# Altium PCB foxbms2-interface-ltc6820.PcbDoc (part 2 of 2)
Units mm, origin at the board's own origin, x right, y up, seen from the top; angles counter-clockwise.
Board outline 70 x 120 mm, 4 copper layers (Top Copper, GND, Supply, Bot Copper), stack 1.56 mm thick; 98 components, 88 nets, 306 pads, 146 vias.
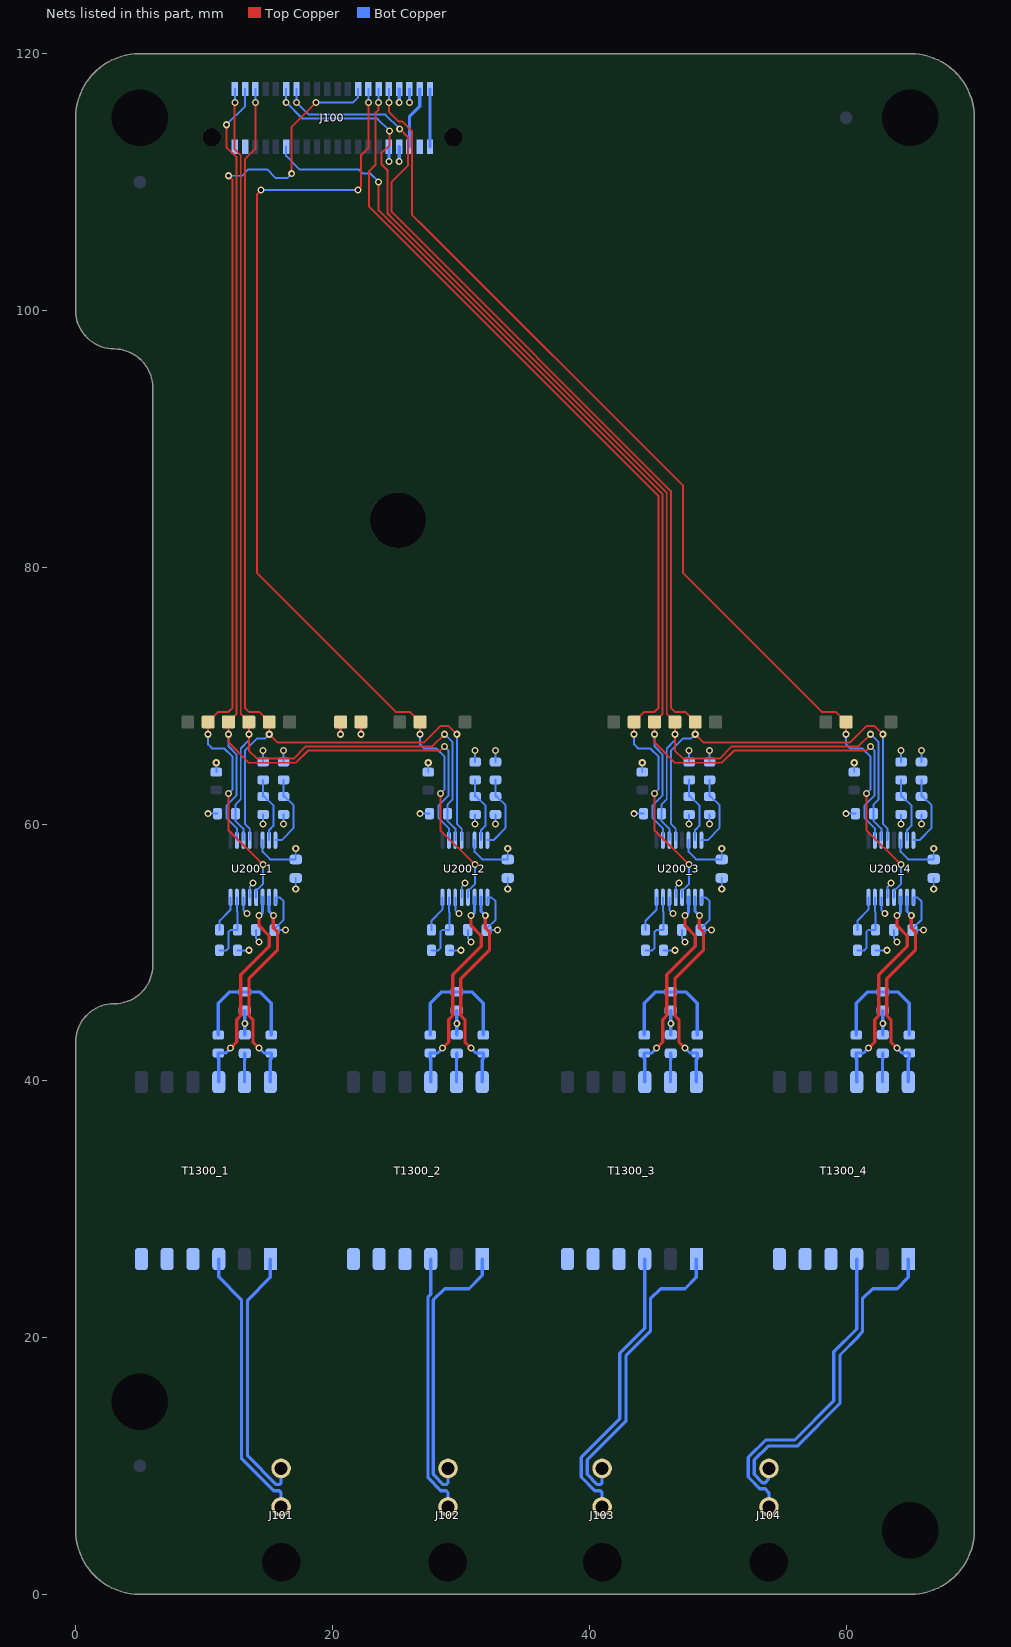
[diagram p4: the nets of this part, all layers, seen from the top]

## Via types
v1: diameter 0.55, hole 0.3, Top Copper to Bot Copper, 146 vias

## Nets (pads, with @x,y where several pads share a name; then routed paths per layer and width w, separated by ;. In a path a pad name is that pad's centre, name@x,y a point inside that pad or via, vN(x,y) a via of type N, cw(c..) or ccw(c..) an arc to the next point about the centre after c; other vN are vias at no path point) (continued)
GND: C200_1.1 C200_2.1 C200_3.1 C200_4.1 C201_1.1 C201_2.1 C201_3.1 C201_4.1 C300_1.2 C300_2.2 C300_3.2 C300_4.2 C301_1.1 C301_2.1 C301_3.1 C301_4.1 J100.32 J100.33 R203_1.1 R203_2.1 R203_3.1 R203_4.1 R206_1.1 R206_2.1 R206_3.1 R206_4.1 R207_1.1 R207_2.1 R207_3.1 R207_4.1 TP_GND.1 U200_1.13 U200_1.14 U200_2.13 U200_2.14 U200_3.13 U200_3.14 U200_4.13 U200_4.14 | length 39.4
  Top Copper w0.254: v1(22.225,66.992) TP_GND.1@22.225,67.945
  Bot Copper w0.152: R203_1.1@12.606,50.165 v1(13.494,50.165) ; U200_1.14@13.061,54.29 13.061,53.296 v1(13.335,53.023) ; U200_1.13@13.561,54.29 13.561,55.121 13.811,55.371 v1(13.811,55.404) ; C200_1.1@14.039,51.752 14.039,51.084 14.287,50.835 v1(14.287,50.8) ; R207_1.1@14.605,64.835 v1(14.605,65.722) ; R206_1.1@16.192,64.835 v1(16.192,65.722) ; v1(17.145,54.927) C201_1.1@17.145,55.79 ; R203_2.1@29.116,50.165 v1(30.004,50.165) ; U200_2.14@29.571,54.29 29.571,53.296 v1(29.845,53.023) ; U200_2.13@30.071,54.29 30.071,55.121 30.321,55.371 v1(30.321,55.404) ; C200_2.1@30.549,51.752 30.549,51.084 30.797,50.835 v1(30.797,50.8) ; R207_2.1@31.115,64.835 v1(31.115,65.722) ; R206_2.1@32.703,64.835 v1(32.703,65.722) ; v1(33.655,54.927) C201_2.1@33.655,55.79 ; R203_3.1@45.785,50.165 v1(46.672,50.165) ; U200_3.14@46.24,54.29 46.24,53.296 v1(46.514,53.023) ; U200_3.13@46.74,54.29 46.74,55.121 46.99,55.371 v1(46.99,55.404) ; C200_3.1@47.218,51.752 47.218,51.084 47.466,50.835 v1(47.466,50.8) ; R207_3.1@47.784,64.835 v1(47.784,65.722) ; R206_3.1@49.371,64.835 v1(49.371,65.722) ; v1(50.324,54.927) C201_3.1@50.324,55.79 ; R203_4.1@62.295,50.165 v1(63.182,50.165) ; U200_4.14@62.75,54.29 62.75,53.296 v1(63.024,53.023) ; U200_4.13@63.25,54.29 63.25,55.121 63.5,55.371 v1(63.5,55.404) ; C200_4.1@63.728,51.752 63.728,51.084 63.976,50.835 v1(63.976,50.8) ; R207_4.1@64.294,64.835 v1(64.294,65.722) ; R206_4.1@65.881,64.835 v1(65.881,65.722) ; v1(66.834,54.927) C201_4.1@66.834,55.79
  Bot Copper w0.254: C301_1.1@13.176,43.587 v1(13.176,44.45) C300_1.2@13.176,45.471 ; v1(24.4,111.601) J100.32@24.4,112.75 ; v1(25.2,116.205) J100.33@25.2,117.25 ; C301_2.1@29.686,43.587 v1(29.686,44.45) C300_2.2@29.686,45.471 ; C301_3.1@46.355,43.587 v1(46.355,44.45) C300_3.2@46.355,45.471 ; C301_4.1@62.865,43.587 v1(62.865,44.45) C300_4.2@62.865,45.471
IF_GPIO.1: J100.25 TP_MSTR1.1 U200_1.12 | length 76.4
  Top Copper w0.152: v1(10.319,66.992) TP_MSTR1.1@10.319,67.945 11.112,68.739 11.906,68.739 12.224,69.056 12.224,110.172 v1(11.906,110.49) ; v1(11.906,62.389) 11.906,59.531 v1(14.605,56.832) ; v1(16.828,110.649) 16.828,114.3 v1(18.732,116.205)
  Bot Copper w0.152: v1(10.319,66.992) 10.319,66.199 10.636,65.881 11.589,65.881 12.224,65.246 12.224,62.706 v1(11.906,62.389) ; v1(11.906,110.49) 12.963,110.49 13.454,110.981 14.908,110.981 15.557,110.331 16.51,110.331 v1(16.828,110.649) ; U200_1.12@14.061,54.29 14.061,54.815 14.605,55.359 v1(14.605,56.832) ; v1(18.732,116.205) 21.607,116.205 22,116.598 J100.25@22,117.25
IF_GPIO.3: J100.27 TP_MSTR2.1 U200_2.12 | length 79.7
  Top Copper w0.152: v1(14.446,109.379) 14.129,109.061 14.129,79.534 24.924,68.739 26.035,68.739 TP_MSTR2.1@26.829,67.945 v1(26.829,66.992) ; v1(21.988,109.379) 21.988,109.438 22.225,109.674 22.225,112.078 22.8,112.652 v1(22.8,116.205) ; v1(28.416,62.389) 28.416,59.531 v1(31.115,56.832)
  Bot Copper w0.152: v1(14.446,109.379) v1(21.988,109.379) ; v1(22.8,116.205) J100.27@22.8,117.25 ; v1(26.829,66.992) 26.829,66.199 27.146,65.881 28.099,65.881 28.734,65.246 28.734,62.706 v1(28.416,62.389) ; U200_2.12@30.571,54.29 30.571,54.815 31.115,55.359 v1(31.115,56.832)
IF_GPIO.5: J100.29 TP_MSTR3.1 U200_3.12 | length 76.7
  Top Copper w0.152: v1(23.6,116.205) 23.6,115.628 23.354,115.382 23.354,111.346 22.86,110.852 22.86,108.082 24.196,106.746 45.402,85.539 45.402,70.08 45.402,69.056 45.085,68.739 44.291,68.739 TP_MSTR3.1@43.497,67.945 v1(43.497,66.992) ; v1(45.085,62.389) 45.085,59.531 v1(47.784,56.832)
  Bot Copper w0.152: v1(23.6,116.205) J100.29@23.6,117.25 ; v1(43.497,66.992) 43.497,66.199 43.815,65.881 44.767,65.881 45.402,65.246 45.402,62.706 v1(45.085,62.389) ; U200_3.12@47.24,54.29 47.24,54.815 47.784,55.359 v1(47.784,56.832)
IF_GPIO.7: J100.31 TP_MSTR4.1 U200_4.12 | length 81.4
  Top Copper w0.152: v1(24.4,116.205) 24.4,115.468 25.17,114.698 25.468,114.698 26.194,113.973 26.194,107.442 27.21,106.426 47.307,86.328 47.307,79.534 58.102,68.739 59.214,68.739 TP_MSTR4.1@60.008,67.945 v1(60.008,66.992) ; v1(61.595,62.389) 61.595,59.531 v1(64.294,56.832)
  Bot Copper w0.152: v1(24.4,116.205) J100.31@24.4,117.25 ; v1(60.008,66.992) 60.008,66.199 60.325,65.881 61.277,65.881 61.912,65.246 61.912,62.706 v1(61.595,62.389) ; U200_4.12@63.75,54.29 63.75,54.815 64.294,55.359 v1(64.294,56.832)
isoSPI_1._N: J101.2 T1300_1.1 | length 20.8
  Bot Copper w0.254: T1300_1.1@15.16,26.12 15.16,24.685 13.392,22.917 13.392,10.804 15.641,8.555 15.851,8.555 16,8.703 J101.2@16,9.815
isoSPI_1._P: J101.1 T1300_1.3 | length 21.6
  Bot Copper w0.254: T1300_1.3@11.147,26.12 11.147,24.731 12.915,22.962 12.915,10.607 15.444,8.078 15.851,8.078 16,7.93 J101.1@16,6.818
isoSPI_2._N: J102.2 T1300_2.1 | length 22.1
  Bot Copper w0.254: J102.2@29,9.815 29,8.703 28.851,8.555 28.641,8.555 27.857,9.338 27.857,22.936 28.734,23.812 30.639,23.812 31.67,24.844 T1300_2.1@31.67,26.12
isoSPI_2._P: J102.1 T1300_2.3 | length 20.3
  Bot Copper w0.254: T1300_2.3@27.657,26.12 27.657,23.371 27.451,23.164 27.451,9.071 28.444,8.078 28.851,8.078 29,7.93 J102.1@29,6.818
isoSPI_3._N: J103.2 T1300_3.1 | length 24
  Bot Copper w0.254: J103.2@41,9.815 41,8.703 40.851,8.555 40.641,8.555 39.857,9.338 39.857,10.467 42.862,13.473 42.862,18.574 44.767,20.479 44.767,23.019 45.561,23.812 47.461,23.812 48.339,24.69 T1300_3.1@48.339,26.12
isoSPI_3._P: J103.1 T1300_3.3 | length 22.3
  Bot Copper w0.254: J103.1@41,6.818 41,7.93 40.851,8.078 40.444,8.078 39.381,9.141 39.381,10.664 42.386,13.67 42.386,18.771 44.326,20.71 T1300_3.3@44.326,26.12
isoSPI_4._N: J104.2 T1300_4.1 | length 26.5
  Bot Copper w0.254: J104.2@54,9.815 53.95,9.765 53.95,8.951 53.702,8.703 53.492,8.703 52.857,9.338 52.857,10.471 53.934,11.548 56.195,11.548 59.531,14.884 59.531,18.642 60.978,20.089 60.978,20.138 61.277,20.438 61.277,23.019 62.071,23.812 63.976,23.812 64.849,24.685 T1300_4.1@64.849,26.12
isoSPI_4._P: J104.1 T1300_4.3 | length 25
  Bot Copper w0.254: J104.1@54,6.818 54,7.93 53.702,8.227 53.295,8.227 52.381,9.141 52.381,10.668 53.737,12.024 55.998,12.024 59.055,15.081 59.055,18.889 60.836,20.669 T1300_4.3@60.836,26.12
isoSPI_INT_1_N: R302_1.1 T1300_1.12 U200_1.10 | length 16.7
  Top Copper w0.254: v1(14.287,42.545) 13.811,43.021 13.811,44.767 13.494,45.085 13.494,47.942 15.716,50.165 15.716,51.594 15.399,51.911 v1(15.399,52.864)
  Bot Copper w0.254: v1(14.287,42.545) 14.67,42.163 R302_1.1@15.24,42.162 15.24,41.711 15.16,41.631 T1300_1.12@15.16,39.9 ; U200_1.10@15.061,54.29 15.061,53.201 v1(15.399,52.864)
isoSPI_INT_1_P: R300_1.2 T1300_1.10 U200_1.11 | length 16.8
  Top Copper w0.254: v1(12.065,42.545) 12.541,43.021 12.541,44.767 12.859,45.085 12.859,48.26 15.081,50.482 15.081,51.276 14.287,52.07 v1(14.287,52.864)
  Bot Copper w0.254: T1300_1.10@11.147,39.9 11.147,41.677 11.112,41.711 R300_1.2@11.112,42.163 11.682,42.162 v1(12.065,42.545) ; v1(14.287,52.864) 14.561,53.138 U200_1.11@14.561,54.29
isoSPI_INT_2_N: R302_2.1 T1300_2.12 U200_2.10 | length 16.7
  Top Copper w0.254: v1(30.797,42.545) 30.321,43.021 30.321,44.767 30.004,45.085 30.004,47.942 32.226,50.165 32.226,51.594 31.909,51.911 v1(31.909,52.864)
  Bot Copper w0.254: v1(30.797,42.545) 31.18,42.163 R302_2.1@31.75,42.162 31.75,41.711 31.67,41.631 T1300_2.12@31.67,39.9 ; U200_2.10@31.571,54.29 31.571,53.201 v1(31.909,52.864)
isoSPI_INT_2_P: R300_2.2 T1300_2.10 U200_2.11 | length 16.8
  Top Copper w0.254: v1(28.575,42.545) 29.051,43.021 29.051,44.767 29.369,45.085 29.369,48.26 31.591,50.482 31.591,51.276 30.797,52.07 v1(30.797,52.864)
  Bot Copper w0.254: T1300_2.10@27.657,39.9 27.657,41.677 27.622,41.711 R300_2.2@27.622,42.163 28.192,42.162 v1(28.575,42.545) ; v1(30.797,52.864) 31.071,53.138 U200_2.11@31.071,54.29
isoSPI_INT_3_N: R302_3.1 T1300_3.12 U200_3.10 | length 16.7
  Top Copper w0.254: v1(47.466,42.545) 46.99,43.021 46.99,44.767 46.672,45.085 46.672,47.942 48.895,50.165 48.895,51.594 48.578,51.911 v1(48.578,52.864)
  Bot Copper w0.254: v1(47.466,42.545) 47.849,42.163 R302_3.1@48.419,42.162 48.419,41.711 48.339,41.631 T1300_3.12@48.339,39.9 ; U200_3.10@48.24,54.29 48.24,53.201 v1(48.578,52.864)
isoSPI_INT_3_P: R300_3.2 T1300_3.10 U200_3.11 | length 16.8
  Top Copper w0.254: v1(45.244,42.545) 45.72,43.021 45.72,44.767 46.038,45.085 46.038,48.26 48.26,50.482 48.26,51.276 47.466,52.07 v1(47.466,52.864)
  Bot Copper w0.254: T1300_3.10@44.326,39.9 44.326,41.677 44.291,41.711 R300_3.2@44.291,42.163 44.861,42.162 v1(45.244,42.545) ; v1(47.466,52.864) 47.74,53.138 U200_3.11@47.74,54.29
isoSPI_INT_4_N: R302_4.1 T1300_4.12 U200_4.10 | length 16.7
  Top Copper w0.254: v1(63.976,42.545) 63.5,43.021 63.5,44.767 63.182,45.085 63.182,47.942 65.405,50.165 65.405,51.594 65.087,51.911 v1(65.087,52.864)
  Bot Copper w0.254: v1(63.976,42.545) 64.359,42.163 R302_4.1@64.929,42.162 64.929,41.711 64.849,41.631 T1300_4.12@64.849,39.9 ; U200_4.10@64.75,54.29 64.75,53.201 v1(65.087,52.864)
isoSPI_INT_4_P: R300_4.2 T1300_4.10 U200_4.11 | length 16.8
  Top Copper w0.254: v1(61.754,42.545) 62.23,43.021 62.23,44.767 62.547,45.085 62.547,48.26 64.77,50.482 64.77,51.276 63.976,52.07 v1(63.976,52.864)
  Bot Copper w0.254: T1300_4.10@60.836,39.9 60.836,41.677 60.801,41.711 R300_4.2@60.801,42.163 61.371,42.162 v1(61.754,42.545) ; v1(63.976,52.864) 64.25,53.138 U200_4.11@64.25,54.29
MCU_SPI1.CLK: J100.5 TP_SPI1.CLK.1 U200_1.4 U200_2.4 | length 85.5
  Top Copper w0.152: v1(14,116.205) 14,112.584 13.176,111.76 13.176,69.056 13.494,68.739 14.287,68.739 TP_SPI1.CLK.1@15.081,67.945 v1(15.081,66.992) 15.716,66.358 27.146,66.358 28.416,67.627 29.051,67.627 v1(29.686,66.992)
  Bot Copper w0.152: U200_1.4@13.561,58.74 13.561,59.622 13.176,60.008 13.176,65.722 14.129,66.675 14.764,66.675 v1(15.081,66.992) ; v1(14,116.205) J100.5@14,117.25 ; v1(29.686,66.992) 29.686,60.008 30.071,59.622 U200_2.4@30.071,58.74
MCU_SPI1.SIMO0: J100.3 TP_SPI1.SIMO0.1 U200_1.2 U200_2.2 | length 87.4
  Top Copper w0.152: v1(11.747,114.459) 11.747,112.712 12.541,111.919 12.541,108.585 12.541,68.58 TP_SPI1.SIMO0.1@11.906,67.945 v1(11.906,66.992) 11.906,66.358 13.494,64.77 17.145,64.77 18.098,65.722 28.416,65.722 v1(28.734,66.04)
  Bot Copper w0.152: v1(11.747,114.459) 13.2,115.911 J100.3@13.2,117.25 ; v1(11.906,66.992) 11.906,66.04 12.541,65.405 12.541,62.23 11.747,61.436 11.747,60.484 12.561,59.67 U200_1.2@12.561,58.74 ; v1(28.734,66.04) 29.051,65.722 29.051,62.23 28.258,61.436 28.258,60.484 29.071,59.67 U200_2.2@29.071,58.74
MCU_SPI1.SIMO1: J100.4
MCU_SPI1.SOMI0: J100.1 R201_1.1 R201_2.1 TP_SPI1.SOMI0.1 U200_1.3 U200_2.3 | length 86.2
  Top Copper w0.152: v1(12.4,116.205) 12.383,116.188 12.383,112.554 12.859,112.078 12.859,108.585 12.859,68.58 TP_SPI1.SOMI0.1@13.494,67.945 v1(13.494,66.992) 13.494,65.722 14.129,65.087 16.986,65.087 17.939,66.04 27.781,66.04 v1(28.734,66.992)
  Bot Copper w0.152: v1(12.4,116.205) J100.1@12.4,117.25 ; U200_1.3@13.061,58.74 13.061,59.646 12.448,60.26 R201_1.1@12.448,60.801 12.448,61.501 12.859,61.912 12.859,65.881 13.494,66.516 v1(13.494,66.992) ; v1(28.734,66.992) 29.369,66.358 29.369,61.912 28.958,61.501 R201_2.1@28.958,60.801 28.958,60.26 29.571,59.646 U200_2.3@29.571,58.74
MCU_SPI1.SOMI1: J100.2
MCU_SPI4.CLK: J100.13 TP_SPI4.CLK.1 U200_3.4 U200_4.4 | length 101.8
  Top Copper w0.152: v1(25.241,114.141) 25.876,113.506 25.876,111.284 24.606,110.014 24.606,107.682 25.429,106.859 46.355,85.934 46.355,69.056 46.672,68.739 47.466,68.739 TP_SPI4.CLK.1@48.26,67.945 v1(48.26,66.992) 48.895,66.358 60.325,66.358 61.595,67.627 62.23,67.627 v1(62.865,66.992)
  Bot Copper w0.152: J100.13@17.2,117.25 v1(17.2,116.205) 18.152,115.252 24.13,115.252 v1(25.241,114.141) ; U200_3.4@46.74,58.74 46.74,59.622 46.355,60.008 46.355,65.722 47.307,66.675 47.942,66.675 v1(48.26,66.992) ; v1(62.865,66.992) 62.865,60.008 63.25,59.622 U200_4.4@63.25,58.74
MCU_SPI4.SIMO: J100.12 TP_SPI4.SIMO.1 U200_3.2 U200_4.2 | length 97.1
  Top Copper w0.152: v1(23.6,110.014) 23.6,107.791 24.42,106.97 45.72,85.671 45.72,68.58 TP_SPI4.SIMO.1@45.085,67.945 v1(45.085,66.992) 45.085,66.358 46.672,64.77 50.324,64.77 51.276,65.722 61.595,65.722 v1(61.912,66.04)
  Bot Copper w0.152: J100.12@16.4,112.75 16.4,112.029 17.462,110.966 22.066,110.966 22.384,110.649 22.965,110.649 v1(23.6,110.014) ; v1(45.085,66.992) 45.085,66.04 45.72,65.405 45.72,62.23 44.926,61.436 44.926,60.484 45.74,59.67 U200_3.2@45.74,58.74 ; v1(61.912,66.04) 62.23,65.722 62.23,62.23 61.436,61.436 61.436,60.484 62.25,59.67 U200_4.2@62.25,58.74
MCU_SPI4.SOMI: J100.11 R201_3.1 R201_4.1 TP_SPI4.SOMI.1 U200_3.3 U200_4.3 | length 102.2
  Top Copper w0.152: v1(24.447,113.983) 24.447,112.871 23.812,112.236 23.812,111.405 24.289,110.928 24.289,107.551 24.645,107.195 46.037,85.802 46.038,68.58 TP_SPI4.SOMI.1@46.672,67.945 v1(46.672,66.992) 46.672,65.722 47.307,65.087 50.165,65.087 51.117,66.04 60.96,66.04 v1(61.912,66.992)
  Bot Copper w0.152: J100.11@16.4,117.25 v1(16.4,116.205) 17.67,114.935 23.495,114.935 v1(24.447,113.983) ; U200_3.3@46.24,58.74 46.24,59.646 45.626,60.26 R201_3.1@45.626,60.801 45.626,61.501 46.038,61.912 46.038,65.881 46.672,66.516 v1(46.672,66.992) ; v1(61.912,66.992) 62.547,66.358 62.547,61.912 62.136,61.501 R201_4.1@62.136,60.801 62.136,60.26 62.75,59.646 U200_4.3@62.75,58.74
NetC300_1_1: C300_1.1 R300_1.1 R302_1.2 | length 9.8
  Bot Copper w0.254: R300_1.1@11.112,43.563 11.112,46.038 11.996,46.921 C300_1.1@13.176,46.921 14.356,46.921 15.24,46.038 R302_1.2@15.24,43.562
NetC300_2_1: C300_2.1 R300_2.1 R302_2.2 | length 9.8
  Bot Copper w0.254: R300_2.1@27.622,43.563 27.622,46.038 28.506,46.921 C300_2.1@29.686,46.921 30.866,46.921 31.75,46.038 R302_2.2@31.75,43.562
NetC300_3_1: C300_3.1 R300_3.1 R302_3.2 | length 9.8
  Bot Copper w0.254: R300_3.1@44.291,43.563 44.291,46.038 45.175,46.921 C300_3.1@46.355,46.921 47.535,46.921 48.419,46.038 R302_3.2@48.419,43.562
NetC300_4_1: C300_4.1 R300_4.1 R302_4.2 | length 9.8
  Bot Copper w0.254: R300_4.1@60.801,43.563 60.801,46.038 61.685,46.921 C300_4.1@62.865,46.921 64.045,46.921 64.929,46.038 R302_4.2@64.929,43.562
NetC301_1_2: C301_1.2 T1300_1.11 | length 2.2
  Bot Copper w0.254: T1300_1.11@13.153,39.9 13.153,41.638 13.176,41.661 C301_1.2@13.176,42.138
NetC301_2_2: C301_2.2 T1300_2.11 | length 2.2
  Bot Copper w0.254: T1300_2.11@29.663,39.9 29.663,41.638 29.686,41.661 C301_2.2@29.686,42.138
NetC301_3_2: C301_3.2 T1300_3.11 | length 2.2
  Bot Copper w0.254: T1300_3.11@46.332,39.9 46.332,41.638 46.355,41.661 C301_3.2@46.355,42.138
NetC301_4_2: C301_4.2 T1300_4.11 | length 2.2
  Bot Copper w0.254: T1300_4.11@62.842,39.9 62.842,41.638 62.865,41.661 C301_4.2@62.865,42.138
NetR202_1_1: R202_1.1 R203_1.2 U200_1.15 | length 5.4
  Bot Copper w0.152: R203_1.2@11.206,50.165 11.747,50.165 11.906,50.324 11.906,51.594 12.065,51.752 R202_1.1@12.606,51.752 12.606,53.116 12.561,53.161 U200_1.15@12.561,54.29
NetR202_1_2: R202_1.2 U200_1.16 | length 2.9
  Bot Copper w0.152: R202_1.2@11.206,51.752 11.206,52.481 12.061,53.336 U200_1.16@12.061,54.29
NetR202_2_1: R202_2.1 R203_2.2 U200_2.15 | length 5.4
  Bot Copper w0.152: R203_2.2@27.716,50.165 28.258,50.165 28.416,50.324 28.416,51.594 28.575,51.752 R202_2.1@29.116,51.752 29.116,53.116 29.071,53.161 U200_2.15@29.071,54.29
NetR202_2_2: R202_2.2 U200_2.16 | length 2.9
  Bot Copper w0.152: R202_2.2@27.716,51.752 27.716,52.481 28.571,53.336 U200_2.16@28.571,54.29
NetR202_3_1: R202_3.1 R203_3.2 U200_3.15 | length 5.4
  Bot Copper w0.152: R203_3.2@44.385,50.165 44.926,50.165 45.085,50.324 45.085,51.594 45.244,51.752 R202_3.1@45.785,51.752 45.785,53.116 45.74,53.161 U200_3.15@45.74,54.29
NetR202_3_2: R202_3.2 U200_3.16 | length 2.9
  Bot Copper w0.152: R202_3.2@44.385,51.752 44.385,52.481 45.24,53.336 U200_3.16@45.24,54.29
NetR202_4_1: R202_4.1 R203_4.2 U200_4.15 | length 5.4
  Bot Copper w0.152: R203_4.2@60.895,50.165 61.436,50.165 61.595,50.324 61.595,51.594 61.754,51.752 R202_4.1@62.295,51.752 62.295,53.116 62.25,53.161 U200_4.15@62.25,54.29
NetR202_4_2: R202_4.2 U200_4.16 | length 2.9
  Bot Copper w0.152: R202_4.2@60.895,51.752 60.895,52.481 61.75,53.336 U200_4.16@61.75,54.29
NetR204_1_1: R204_1.1 R206_1.2 U200_1.8 | length 6
  Bot Copper w0.152: U200_1.8@15.561,58.74 16.036,58.74 16.986,59.69 16.986,61.443 16.292,62.136 R204_1.1@16.192,62.136 R206_1.2@16.192,63.435
NetR204_2_1: R204_2.1 R206_2.2 U200_2.8 | length 6
  Bot Copper w0.152: U200_2.8@32.071,58.74 32.546,58.74 33.496,59.69 33.496,61.443 32.802,62.136 R204_2.1@32.703,62.136 R206_2.2@32.703,63.435
NetR204_3_1: R204_3.1 R206_3.2 U200_3.8 | length 6
  Bot Copper w0.152: U200_3.8@48.74,58.74 49.215,58.74 50.165,59.69 50.165,61.443 49.471,62.136 R204_3.1@49.371,62.136 R206_3.2@49.371,63.435
NetR204_4_1: R204_4.1 R206_4.2 U200_4.8 | length 6
  Bot Copper w0.152: U200_4.8@65.25,58.74 65.725,58.74 66.675,59.69 66.675,61.443 65.981,62.136 R204_4.1@65.881,62.136 R206_4.2@65.881,63.435
NetR205_1_1: R205_1.1 R207_1.2 U200_1.7 | length 5.2
  Bot Copper w0.152: R207_1.2@14.605,63.435 R205_1.1@14.605,62.136 14.705,62.136 15.399,61.443 15.399,59.854 15.061,59.517 U200_1.7@15.061,58.74
NetR205_2_1: R205_2.1 R207_2.2 U200_2.7 | length 5.2
  Bot Copper w0.152: R207_2.2@31.115,63.435 R205_2.1@31.115,62.136 31.215,62.136 31.909,61.443 31.909,59.854 31.571,59.517 U200_2.7@31.571,58.74
NetR205_3_1: R205_3.1 R207_3.2 U200_3.7 | length 5.2
  Bot Copper w0.152: R207_3.2@47.784,63.435 R205_3.1@47.784,62.136 47.884,62.136 48.578,61.443 48.578,59.854 48.24,59.517 U200_3.7@48.24,58.74
NetR205_4_1: R205_4.1 R207_4.2 U200_4.7 | length 5.2
  Bot Copper w0.152: R207_4.2@64.294,63.435 R205_4.1@64.294,62.136 64.394,62.136 65.087,61.443 65.087,59.854 64.75,59.517 U200_4.7@64.75,58.74
PER_3.3V: C200_1.2 C200_2.2 C200_3.2 C200_4.2 C201_1.2 C201_2.2 C201_3.2 C201_4.2 J100.34 J100.35 R200_1.2 R200_2.2 R200_3.2 R200_4.2 R201_1.2 R201_2.2 R201_3.2 R201_4.2 R204_1.2 R204_2.2 R204_3.2 R204_4.2 R205_1.2 R205_2.2 R205_3.2 R205_4.2 TP_PER_3.3V.1 U200_1.6 U200_1.9 U200_2.6 U200_2.9 U200_3.6 U200_3.9 U200_4.6 U200_4.9 | length 51.9
  Top Copper w0.254: v1(20.637,66.992) TP_PER_3.3V.1@20.637,67.945
  Bot Copper w0.152: v1(10.319,60.801) R201_1.2@11.048,60.801 ; R200_1.2@10.954,64.041 v1(10.954,64.77) ; U200_1.6@14.561,58.74 14.561,57.829 15.15,57.24 C201_1.2@17.145,57.24 v1(17.145,58.102) ; v1(14.605,60.008) R205_1.2@14.605,60.736 ; U200_1.9@15.561,53.765 U200_1.9@15.561,54.29 15.878,54.29 16.192,53.975 16.192,52.556 15.489,51.852 C200_1.2@15.489,51.752 v1(16.351,51.752) ; v1(16.192,60.008) R204_1.2@16.192,60.736 ; v1(26.829,60.801) R201_2.2@27.558,60.801 ; R200_2.2@27.464,64.041 v1(27.464,64.77) ; U200_2.6@31.071,58.74 31.071,57.829 31.66,57.24 C201_2.2@33.655,57.24 v1(33.655,58.102) ; v1(31.115,60.008) R205_2.2@31.115,60.736 ; U200_2.9@32.071,53.765 U200_2.9@32.071,54.29 32.388,54.29 32.703,53.975 32.703,52.556 31.999,51.852 C200_2.2@31.999,51.752 v1(32.861,51.752) ; v1(32.703,60.008) R204_2.2@32.703,60.736 ; v1(43.497,60.801) R201_3.2@44.226,60.801 ; R200_3.2@44.133,64.041 v1(44.133,64.77) ; U200_3.6@47.74,58.74 47.74,57.829 48.329,57.24 C201_3.2@50.324,57.24 v1(50.324,58.102) ; v1(47.784,60.008) R205_3.2@47.784,60.736 ; U200_3.9@48.74,53.765 U200_3.9@48.74,54.29 49.056,54.29 49.371,53.975 49.371,52.556 48.667,51.852 C200_3.2@48.667,51.752 v1(49.53,51.752) ; v1(49.371,60.008) R204_3.2@49.371,60.736 ; v1(60.008,60.801) R201_4.2@60.736,60.801 ; R200_4.2@60.642,64.041 v1(60.642,64.77) ; U200_4.6@64.25,58.74 64.25,57.829 64.839,57.24 C201_4.2@66.834,57.24 v1(66.834,58.102) ; v1(64.294,60.008) R205_4.2@64.294,60.736 ; U200_4.9@65.25,53.765 U200_4.9@65.25,54.29 65.566,54.29 65.881,53.975 65.881,52.556 65.177,51.852 C200_4.2@65.177,51.752 v1(66.04,51.752) ; v1(65.881,60.008) R204_4.2@65.881,60.736
  Bot Copper w0.254: v1(25.2,111.601) J100.34@25.2,112.75 ; v1(26,116.205) J100.35@26,117.25
PER_5.0V: J100.36 J100.37 | length 4.8
  Bot Copper w0.254: J100.36@26,112.75 26,115.087 26.8,115.887 J100.37@26.8,117.25
TR_unused_1.1: T1300_1.6
TR_unused_1.2: T1300_1.5
TR_unused_1.3: T1300_1.4
TR_unused_2.1: T1300_2.6
TR_unused_2.2: T1300_2.5
TR_unused_2.3: T1300_2.4
TR_unused_3.1: T1300_3.6
TR_unused_3.2: T1300_3.5
TR_unused_3.3: T1300_3.4
TR_unused_4.1: T1300_4.6
TR_unused_4.2: T1300_4.5
TR_unused_4.3: T1300_4.4
VBB_12V: J100.38
VSUP: J100.39 J100.40 | length 4.5
  Bot Copper w0.254: J100.40@27.6,112.75 J100.39@27.6,117.25
pads on no net: FD1.0 FD2.0 FD3.0 J100. J101. J102. J103. J104. MP100.Lightpipe MP102.1 MP103.1 MP104.1 MP105.1 T1300_1.2 T1300_1.7 T1300_1.8 T1300_1.9 T1300_2.2 T1300_2.7 T1300_2.8 T1300_2.9 T1300_3.2 T1300_3.7 T1300_3.8 T1300_3.9 T1300_4.2 T1300_4.7 T1300_4.8 T1300_4.9

## Polygon pours and split planes (outlines as drawn)
no net on Bottom Overlay "Polygon_21_NoNet" (solid): 61.485,96.203 64.276,96.203 64.277,95.63 63.063,95.63 63.061,94.692 62.607,94.692 62.606,95.63 61.942,95.629 61.941,94.645 61.486,94.646
no net on Bottom Overlay "Polygon_20_NoNet" (solid): 23 vertices, not listed, extent 62.16,93.067 64.277,94.287
no net on Bottom Overlay "Polygon_19_NoNet" (solid): 32 vertices, not listed, extent 63.014,91.984 64.323,92.932
no net on Bottom Overlay "Polygon_18_NoNet" (solid): 49 vertices, not listed, extent 62.164,91.07 64.308,92.712
no net on Bottom Overlay "Polygon_17_NoNet" (solid): 41 vertices, not listed, extent 62.209,88.788 64.322,90.683
no net on Bottom Overlay "Polygon_16_NoNet" (solid): 44 vertices, not listed, extent 62.163,86.372 64.277,88.261
no net on Bottom Overlay "Polygon_15_NoNet" (solid): 43 vertices, not listed, extent 61.284,83.954 64.277,85.847
no net on Bottom Overlay "Polygon_14_NoNet" (solid): 75 vertices, not listed, extent 62.159,81.483 64.322,83.642
no net on Bottom Overlay "Polygon_13_NoNet" (solid): 35 vertices, not listed, extent 61.235,79.922 64.278,81.372
no net on Bottom Overlay "Polygon_12_NoNet" (solid): 68 vertices, not listed, extent 62.173,77.856 64.326,79.788
no net on Bottom Overlay "Polygon_11_NoNet" (solid): 25 vertices, not listed, extent 62.103,76.208 64.332,77.557
no net on Bottom Overlay "Polygon_10_NoNet" (solid): 65.665,79.598 65.665,79.303 67.071,79.304 67.07,79.599
no net on Bottom Overlay "Polygon_9_NoNet" (solid): 65.665,78.965 65.665,78.681 67.071,78.681 67.069,78.964
no net on Bottom Overlay "Polygon_8_NoNet" (solid): 60 vertices, not listed, extent 65.642,77.504 67.093,78.392
no net on Bottom Overlay "Polygon_7_NoNet" (solid): 56 vertices, not listed, extent 65.662,76.269 67.07,77.238
no net on Bottom Overlay "Polygon_6_NoNet" (solid): 60.107,101.712 61.274,101.706 61.254,101.332 61.199,100.78 61.099,100.077 61.025,99.683 60.931,99.266 60.779,98.701 60.62,98.214 60.446,97.759 60.363,97.567 60.103,97.567
no net on Bottom Overlay "Polygon_5_NoNet" (solid): 35 vertices, not listed, extent 60.446,97.568 61.97,101.71
no net on Bottom Overlay "Polygon_4_NoNet" (solid): 35 vertices, not listed, extent 60.828,97.57 63.073,101.707
no net on Bottom Overlay "Polygon_3_NoNet" (solid): 31 vertices, not listed, extent 61.335,97.568 64.275,101.707
no net on Bottom Overlay "Polygon_2_NoNet" (solid): 50 vertices, not listed, extent 61.828,97.567 64.276,101.337
no net on Bottom Overlay "Polygon_1_NoNet" (solid): 24 vertices, not listed, extent 62.237,97.568 64.276,100.244
GND on GND "GND_L02_P048" (solid, pour order 48): 2.222,117.951 2.222,38.894 67.786,38.894 67.786,117.951
no net on Top Overlay "Polygon_37_NoNet" (solid): 134 vertices, not listed, extent 61.22,82.13 64.857,85.768
no net on Top Overlay "Polygon_38_NoNet" (solid): 58 vertices, not listed, extent 62.465,82.907 63.613,83.951
no net on Top Overlay "Polygon_39_NoNet" (solid): 59 vertices, not listed, extent 62.465,83.952 63.613,84.996
no net on Top Overlay "Polygon_41_NoNet" (solid): 17 vertices, not listed, extent 62.461,87.63 64.219,88.629
no net on Top Overlay "Polygon_42_NoNet" (solid): 33 vertices, not listed, extent 61.858,87.865 62.39,88.394
no net on Top Overlay "Polygon_37_NoNet" (solid): 134 vertices, not listed, extent 61.221,86.312 64.858,89.949
no net on Top Overlay "Polygon_22_NoNet" (solid): 105 vertices, not listed, extent 47.946,91.928 54.894,113.444
no net on Top Overlay "Polygon_23_NoNet" (solid): 75 vertices, not listed, extent 49.812,108.675 53.018,110.868
no net on Top Overlay "Polygon_24_NoNet" (solid): 33 vertices, not listed, extent 49.821,105.256 53.01,108.042
no net on Top Overlay "Polygon_25_NoNet" (solid): 69 vertices, not listed, extent 49.839,102.376 52.991,104.609
no net on Top Overlay "Polygon_26_NoNet" (solid): 53 vertices, not listed, extent 50.231,98.518 53.021,101.316
no net on Top Overlay "Polygon_27_NoNet" (solid): 60 vertices, not listed, extent 50.231,95.991 53.027,98.528
no net on Top Overlay "Polygon_28_NoNet" (solid): 61 vertices, not listed, extent 49.204,93.516 53.995,96.313
no net on Top Overlay "Polygon_36_NoNet" (solid, pour order 44): 65.462,94.723 65.462,110.065 60.484,110.065 60.484,94.723
PER_3.3V on Supply "NONET_L-01_P-001" (solid, pour order 47): 2.222,117.951 2.222,38.894 67.786,38.894 67.786,117.951

## Keep-outs
Keep-Out Layer:
  region: 62,118 62,120 8,120 8,118
  region: 3,44 3,46 0,46 0,44
  region: 3,97 3,99 0,99 0,97
  rectangle: 6,49 8,94
  rectangle: 0,20 2,110
  rectangle: 68,10 70,110
  lines w2: 3,45 ccw(c3,49) 7,49 ; 3,98 cw(c3,94) 7,94

## Other copper
Top Copper:
  text "L1/Top" at 54.106,114.609 h1.52
GND:
  text "L2" at 57.001,114.603 h1.52
Supply:
  text "L3" at 56.991,114.612 h1.52
Bot Copper:
  text "L4/Bot." at 53.997,114.605 h1.52

## Silkscreen, mask and mechanical layers (free items; w line width, h text height)
Top Overlay:
  drawing of 21 lines, arcs and shapes, not listed
  text "LTC6804 Interface" at 66.633,97.086 h1.4 r90
  text "intramotev.com" at 60.065,93.239 h2.76 r90
  text "Debug LED / Master" at 28.909,81.848 h1.52
  text "Creative Commons / Attribution 4.0" at 67.661,80.642 h1.27 r90
  text "Isolation / 1250 V DC max. / See documentation  / for details." at 1.429,27.136 h1.52
  text "↯" at 11.087,20.714 h30.48
  text "↯" at 25.692,20.714 h30.48
  text "↯" at 41.885,20.714 h30.48
  text "↯" at 59.347,20.714 h30.48
  text "DANGER / high voltage / may be present" at 55.527,16.387 h1.52
  text "isoSPI_1" at 12.426,11.271 h2.03
  text "isoSPI_2" at 25.324,11.271 h2.03
  text "isoSPI_3" at 37.316,11.271 h2.03
  text "isoSPI_4" at 50.299,11.271 h2.03
  text "TugVolt" at 120.458,-85.041 h5.84
Bottom Overlay:
  circle w0.5: c66.358,26.035 r0.25
  circle w0.5: c49.689,26.035 r0.25
  circle w0.5: c33.02,26.035 r0.25
  circle w0.5: c16.51,26.035 r0.25
Mechanical 15:
  the board outline again, w0.2